# Altium PCB SDC.PcbDoc (part 3 of 3)
Units mm, origin at the board's own origin, x right, y up, seen from the top; angles counter-clockwise.
Board outline 100 x 160 mm, 4 copper layers (Top Layer, Signal Layer 1, Signal Layer 2, Bottom Layer), stack 0.778 mm thick; 295 components, 268 nets, 1347 pads, 611 vias.
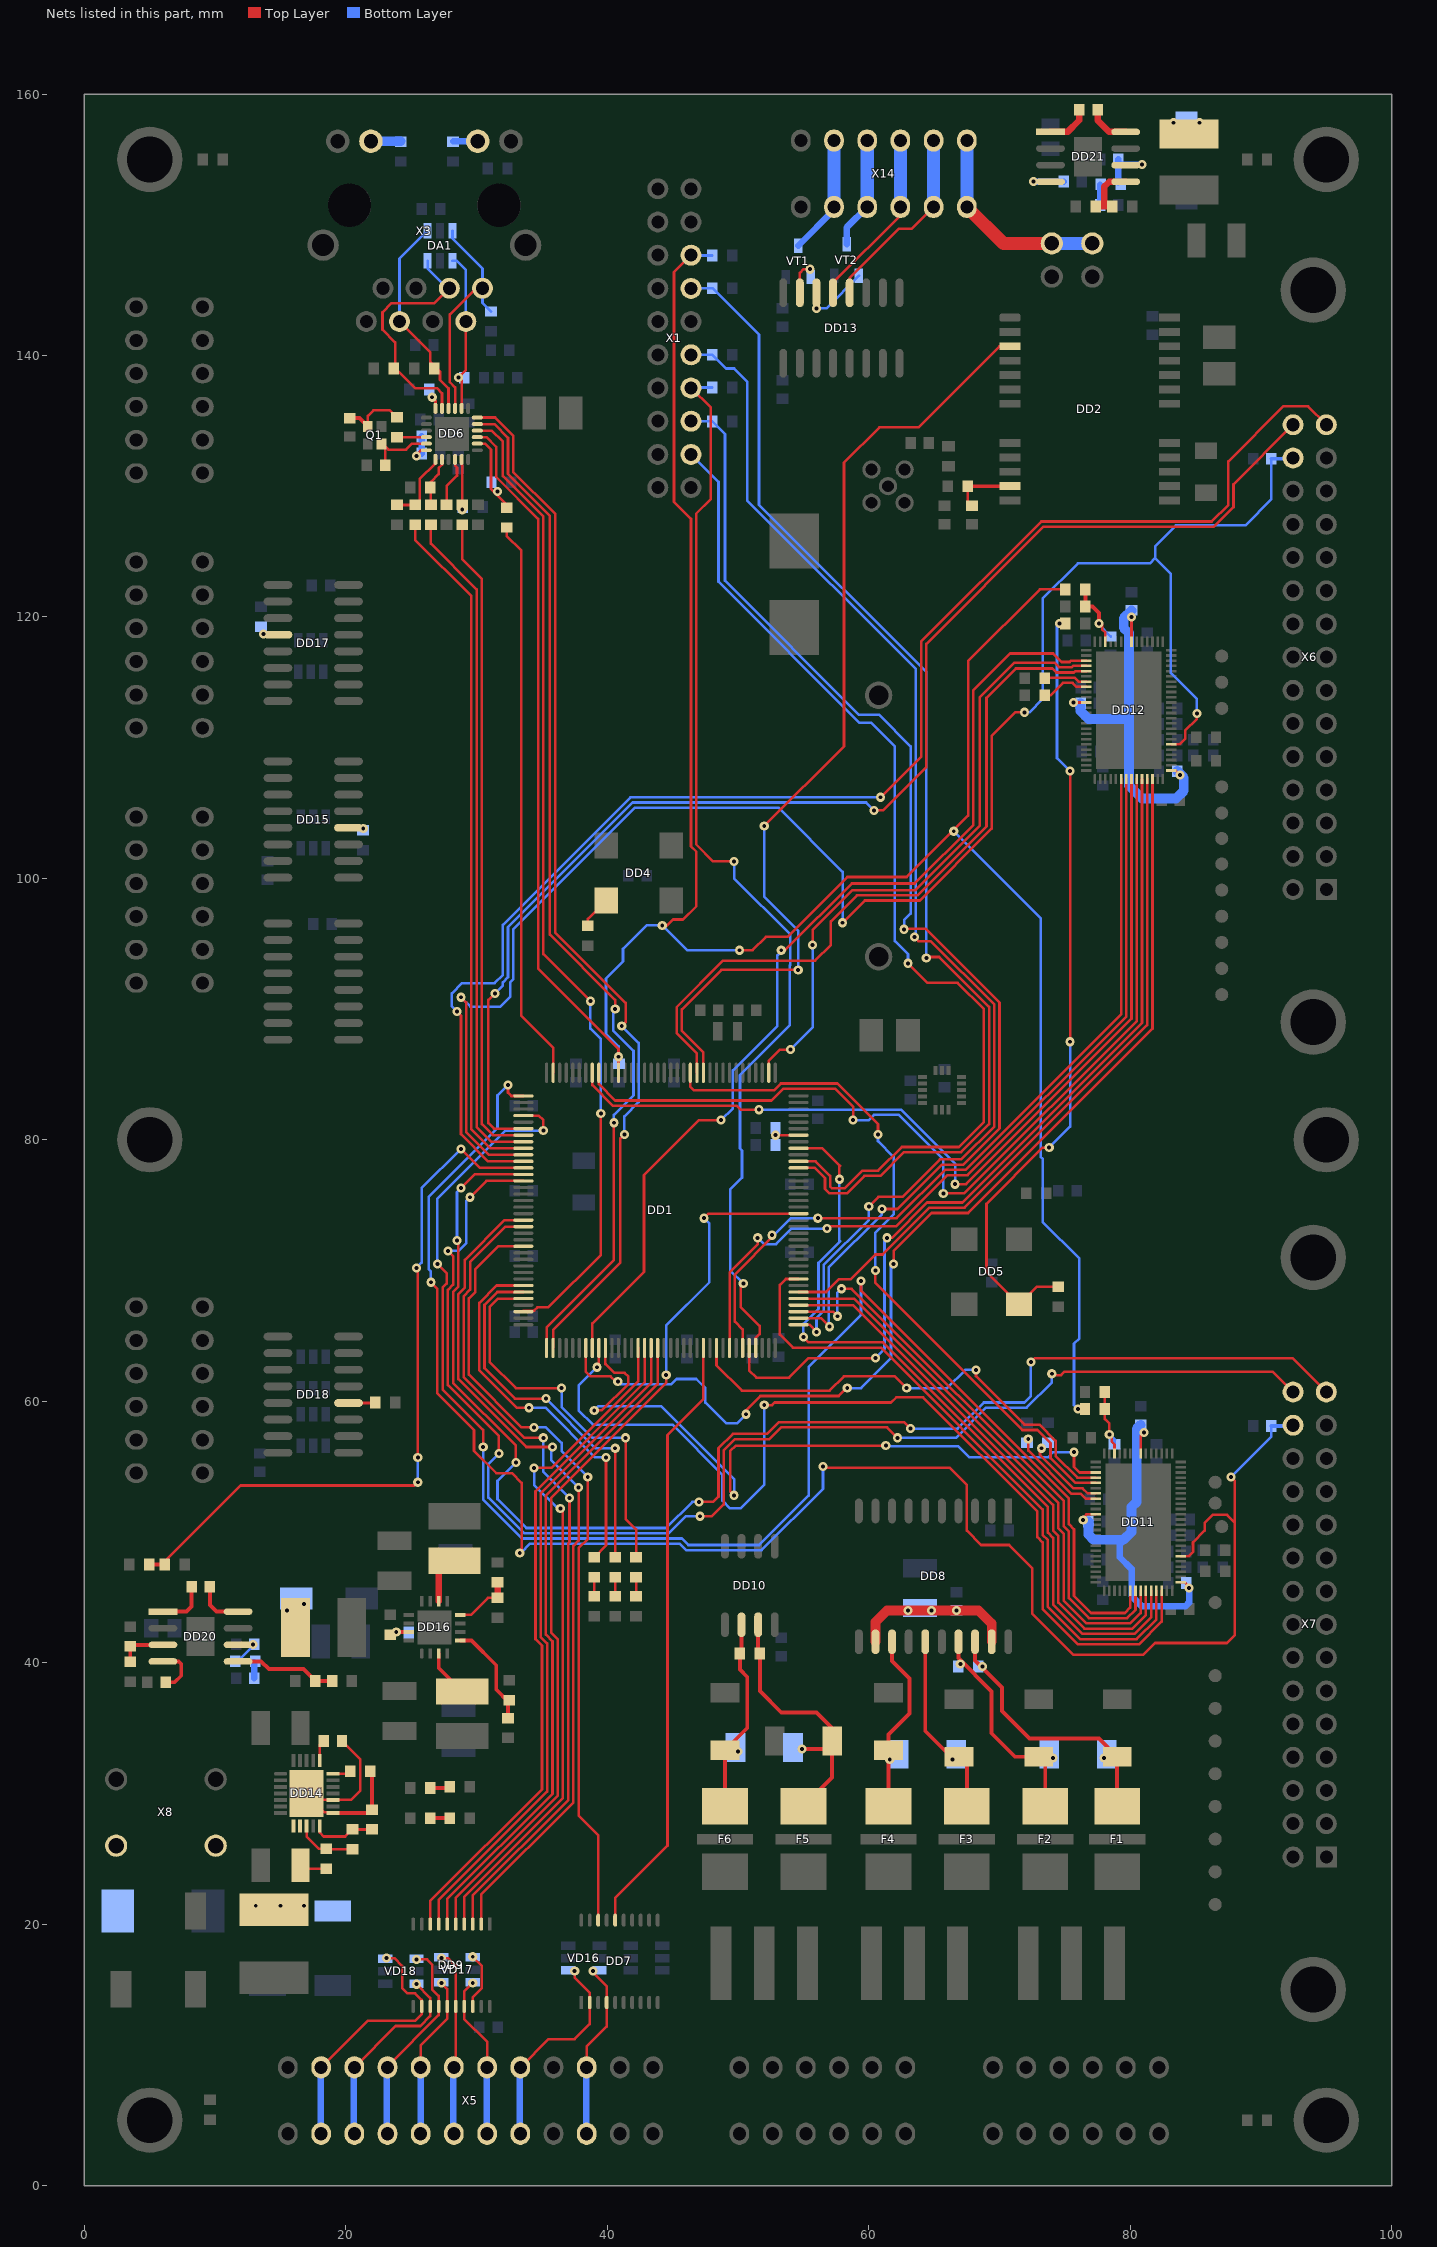
[diagram p5: the nets of this part, all layers, seen from the top]

## Via types
v1: diameter 0.7, hole 0.3, Top Layer to Bottom Layer, tented both sides, 606 vias
v2: diameter 0.5, hole 0.2, Top Layer to Bottom Layer, 5 vias

## Nets (pads, with @x,y where several pads share a name; then routed paths per layer and width w, separated by ;. In a path a pad name is that pad's centre, name@x,y a point inside that pad or via, vN(x,y) a via of type N, cw(c..) or ccw(c..) an arc to the next point about the centre after c; other vN are vias at no path point) (continued)
NetC29_2: C29.2 C30.2 DD6.6 | length 2.3
  Top Layer w0.2: v1@25.5,132.3 25.5,132.5 25.75,132.75 DD6.6@26.15,132.75
  Bottom Layer w0.5: C30.2@25.8,132.5 C29.2@25.8,133.8
  other v1: 25.4,132.3
NetC34_2: C34.2 Q1.1 R28.1 | length 5.1
  Top Layer w0.2: Q1.1@21.675,134.575 21.675,135.375 22.1,135.8 23.362,135.8 R28.1@23.9,135.262
  Top Layer w0.3: C34.2@20.3,135.2 21.05,135.2 Q1.1@21.675,134.575
NetC35_2: C35.2 DD6.5 Q1.3 | length 5
  Top Layer w0.2: Q1.3@22.825,133.225 23.25,132.8 24.6,132.8 25.05,133.25 DD6.5@26.15,133.25 ; C35.2@23,131.6 Q1.3@23,132.95
NetC39_2: C39.2 DD11.50 R41.1 R43.1 | length 5.6
  Top Layer w0.2: R41.1@78.062,60.7 R43.1@78.062,59.4 78.062,58.638 78.4,58.3 v1(78.4,57.45) ; v1@78.6,57.2 78.6,56.89 78.8,56.69 DD11.50@78.8,56
  Bottom Layer w0.2: C39.2@78.8,56.7 C39.2@78.8,57.05
  Bottom Layer w0.3: v1(78.4,57.45) C39.2@78.8,57.05
NetC40_2: C40.2 DD12.50 R42.1 R44.1 | length 6.3
  Top Layer w0.2: v1@77.65,119.55 77.85,119.35 77.85,119.04 78.1,118.79 DD12.50@78.1,118.1
  Top Layer w0.3: R44.1@76.562,122.1 R42.1@76.562,120.8 77.1,120.8 77.6,120.3 v1(77.6,119.5)
  Bottom Layer w0.2: v1@77.6,119.4 C40.2@78.5,118.5
NetC57_2: C57.2 C58.2 C59.2 DD11.15 DD11.45 DD11.63 | length 27.6
  Top Layer w0.2: v1@76.4,51.1 76.65,51.35 DD11.63@77.35,51.35 ; DD11.45@80.8,56 80.8,57.35 v1(81.05,57.6) ; DD11.15@83.85,46.15 84.15,46.15 84.5,45.8 v1(84.5,45.7)
  Bottom Layer w0.5: 79.5,49.4 79.5,49.331 79.2,49.031 79.2,48.069 80.1,47.169 80.1,45.1 80.9,44.3 84.2,44.3 84.5,44.6 v1(84.5,45.7)
  Bottom Layer w0.75: C58.2@76.8,50.8 76.8,49.8 77.2,49.4 79.5,49.4 80.1,50 80.1,51.9 80.5,52.3 80.5,57.9 C59.2@80.8,58.2
  other v1: 76.4,50.9
NetC60_2: C60.2 C61.2 C62.2 DD12.15 DD12.45 DD12.63 | length 28.8
  Top Layer w0.2: v1(75.65,113.45) DD12.63@76.65,113.45 ; v1@80,120.1 v1(80.1,120) DD12.45@80.1,118.1 ; DD12.15@83.15,108.25 83.45,108.25 v1(83.8,107.9)
  Bottom Layer w0.75: C61.2@76.2,113.4 76.2,112.8 76.8,112.2 79.9,112.2 ; C62.2@80.1,120.5 79.5,119.9 79.5,119.163 79.9,118.763 79.9,112.2 ; C60.2@83.6,108.2 84.1,107.7 84.1,106.7 83.5,106.1 80.9,106.1 79.9,107.1 79.9,112.2
NetC68_2: C68.2 DD2.11 R76.2 | length 4.4
  Top Layer w0.2: C68.2@67.562,128.838 R76.2@67.562,130
  Top Layer w0.254: R76.2@67.562,130 DD2.11@70.8,130
NetC74_2: C74.2 C92.1 C93.1 DD14.8 DD14.9 L6.2 R53.2 | length 1.7
  Top Layer w0.2: C74.2@16.786,24.238 R53.2@18.5,24.238
  other v1: 13.1,21.4 15,21.4 16.8,21.4
NetC76_1: C76.1 DD14.13 DD14.15 DD14.25 R56.1 R57.1 | length 16.4
  Top Layer w0.2: DD14.25@17,29.926 18.376,28.55 18.95,28.55 DD14.13@19,28.5 ; DD14.25@17.5,29.5 DD14.15@19,29.5 20.4,29.5 21.1,30.2 21.1,32.6 C76.1@19.7,34
  Top Layer w0.3: DD14.13@19,28.5 R56.1@21.738,28.5 ; R56.1@22,28.762 R57.1@22,31.562
NetC76_2: C76.2 DD14.20 | length 1.2
  Top Layer w0.2: DD14.20@18,32.5 C76.2@18,33.7
NetC83_2: C83.2 DD16.15 R58.1 | length 1.9
  Top Layer w0.3: v1(23.85,42.35) DD16.15@24.8,42.35
  Bottom Layer w0.3: v1(23.85,42.35) C83.2@24.75,42.35
NetC86_1: C86.1 DD20.8 L9.1 VD15.2 | length 3.5
  Top Layer w0.3: C86.1@9.6,45.5 9.6,44.4 10.1,43.9 DD20.8@11.75,43.9
  other v1: 15.5,44 16.8,44.5
NetC86_2: C86.2 DD20.1 | length 3.6
  Top Layer w0.3: DD20.1@6,43.9 7.8,43.9 8.2,44.3 C86.2@8.2,45.5
NetC89_2: C89.2 R68.2 | length 1.2
  Bottom Layer w0.5: C89.2@13,38.8 R68.2@13,40.038
NetC90_2: C90.2 DD20.6 R68.1 | length 1.8
  Bottom Layer w0.2: R68.1@11.7,40.1 C90.2@13,41.4
  other v1: 12.9,41.4
NetC91_2: C91.2 DD20.4 | length 3.8
  Top Layer w0.3: DD20.4@6,40.09 7.21,40.09 7.4,39.9 7.4,39 6.9,38.5 C91.2@6.2,38.5
NetC94_2: C94.2 C95.2 DD8.12 DD8.19 | length 12.6
  Top Layer w0.75: DD8.12@60.51,41.6 60.51,43.11 61.4,44 68.4,44 69.4,43 DD8.19@69.4,41.6
  other v1: 63,44 64.8,44 66.7,44
NetC100_1: C100.1 DD21.8 L10.1 VD20.2 | length 3.3
  Top Layer w0.5: C100.1@77.5,158.8 77.5,158 78.4,157.1 DD21.8@79.65,157.1
  other v1: 83.3,157.8 85.3,157.8
NetC100_2: C100.2 DD21.1 | length 3.4
  Top Layer w0.5: DD21.1@73.9,157.1 75.2,157.1 76.1,158 C100.2@76.1,158.8
NetC103_2: C103.2 R77.2 | length 1.6
  Bottom Layer w0.5: C103.2@77.7,151.5 R77.2@77.7,153.062
NetC104_2: C104.2 DD21.6 R77.1 | length 3.4
  Bottom Layer w0.5: R77.1@79.1,153.262 C104.2@79.1,155 ; C104.2@79.2,154.6 v1(80.9,154.6)
NetC105_2: C105.2 DD21.4 | length 2.3
  Bottom Layer w0.5: v1(72.6,153.3) C105.2@74.9,153.3
NetDA1_1: DA1.1 DD6.20 R17.1 X3.2 | length 12.2
  Top Layer w0.2: DD6.20@28.85,135.95 28.85,138.05 v1(28.6,138.3) 29.175,138.875 X3.2@29.175,142.6
  Bottom Layer w0.2: DA1.1@28.15,147.25 28.45,147.25 29.175,146.525 X3.2@29.175,142.6
NetDA1_3: DA1.3 DD6.23 R19.1 X3.3 | length 19
  Top Layer w0.2: DD6.23@27.35,135.95 27.35,137.1 26.95,137.5 25.3,137.5 23.769,139.031 23.769,141 22.8,141.969 22.8,143.3 23.5,144 26.77,144 X3.3@27.91,145.14
  Bottom Layer w0.2: DA1.3@26.25,147.25 26.25,146.65 27.76,145.14 X3.3@27.91,145.14
NetDA1_4: DA1.4 DD6.22 R20.1 X3.6 | length 16
  Top Layer w0.2: X3.6@24.1,142.6 26.462,140.238 26.462,139.5 27.2,138.762 27.2,138.134 27.85,137.484 DD6.22@27.85,135.95
  Bottom Layer w0.2: X3.6@24.1,142.6 24.1,147.4 DA1.4@26.25,149.55
NetDA1_6: DA1.6 DD6.21 R18.1 X3.1 | length 18.1
  Top Layer w0.2: DD6.21@28.35,135.95 28.35,137.55 27.95,137.95 27.95,143.15 29.94,145.14 X3.1@30.45,145.14
  Bottom Layer w0.2: DA1.6@28.15,149.55 28.15,148.95 30.45,146.65 X3.1@30.45,145.14 30.45,144.012 R18.1@31.1,143.362
NetDD1_48: DD1.48 R9.1 R10.2 | length 55.3
  Top Layer w0.2: R10.2@5.9,47.5 11.95,53.55 25.25,53.55 v1(25.5,53.8) ; v1(25.5,55.7) v1@25.5,70.1 ; v1(28.8,79.3) 30.25,77.85 DD1.48@33.575,77.85
  Top Layer w0.3: R9.1@4.962,47.5 R10.2@5.9,47.5
  Bottom Layer w0.2: v1(25.4,70.2) 25.8,70.6 25.8,76.3 v1(28.8,79.3) ; v1(25.5,53.8) v1(25.5,55.7)
NetDD1_66: DD1.66 HL1.1 | length 29.7
  Top Layer w0.2: DD1.66@33.575,68.85 31.519,68.85 30.2,67.531 30.2,62.363 33.063,59.5 v1(34,59.5) ; HL1.1@39,48.062 39.9,48.962 v1(39.9,55.7) v1@39.9,55.8
  Bottom Layer w0.2: v1(34,59.5) 35.266,59.5 39.066,55.7 v1(39.9,55.7)
NetDD1_67: DD1.67 HL2.1 | length 29.1
  Top Layer w0.2: DD1.67@33.575,68.35 31.584,68.35 30.6,67.366 30.6,62.528 32.928,60.2 v1(35.3,60.2) ; HL2.1@40.6,48.062 v1(40.6,56.4)
  Bottom Layer w0.2: v1(35.3,60.2) 39.1,56.4 v1(40.6,56.4)
NetDD1_68: DD1.68 HL3.1 | length 30.2
  Top Layer w0.2: DD1.68@33.575,67.85 31.65,67.85 31,67.2 31,63 33,61 v1(36.5,61) ; v1(41.4,57.2) 41.4,51 42.2,50.2 HL3.1@42.2,48.062
  Bottom Layer w0.2: v1(36.5,61) 36.5,59.566 38.866,57.2 v1(41.4,57.2)
NetDD1_138: DD1.138 R11.1 R12.2 | length 1.8
  Top Layer w0.2: v1(52.85,80.35) DD1.138@54.625,80.35
NetDD4_3: DD4.3 R13.2 | length 2.5
  Top Layer w0.2: R13.2@38.5,96.362 38.5,96.9 DD4.3@39.9,98.3
NetDD5_3: DD5.3 R14.2 R15.2 | length 60.1
  Top Layer w0.2: v1(73.8,79.4) 73.3,79.4 69,75.1 69,69.9 DD5.3@71.5,67.4 72.862,68.762 R14.2@74.5,68.762 ; v1(75.4,87.5) v1(75.4,108.2)
  Bottom Layer w0.2: v1(73.8,79.4) 75.4,81 v1(75.4,87.5) ; v1(74.6,119.5) 74.4,119.3 74.4,109.2 v1(75.4,108.2)
NetDD6_4: DD6.4 R28.2 | length 2.2
  Top Layer w0.2: R28.2@23.912,133.75 DD6.4@26.15,133.75
NetDD6_7: DD6.7 R22.2 R26.1 | length 5.5
  Top Layer w0.2: R22.2@23.9,128.562 R26.1@25.3,128.562 25.638,128.9 25.638,130.538 26.85,131.75 DD6.7@26.85,132.05
NetDD6_8: DD6.8 R21.2 R25.1 | length 3.8
  Top Layer w0.2: R25.1@26.5,128.562 26.5,130.334 27.1,130.934 27.1,131.389 27.35,131.639 DD6.8@27.35,132.05
NetDD6_10: DD6.10 R30.2 | length 3.9
  Top Layer w0.2: R30.2@27.7,128.562 27.7,130 28.5,130.8 28.5,131.419 28.35,131.569 DD6.10@28.35,132.05
NetDD6_11: DD6.11 R23.2 R27.1 | length 3.5
  Top Layer w0.2: DD6.11@28.85,132.05 28.85,131.65 28.9,131.6 R27.1@28.9,128.562
  other v1: 28.9,128.2
NetDD6_14: DD6.14 R16.2 R34.1 | length 5.9
  Top Layer w0.2: DD6.14@30.05,133.25 30.65,133.25 31.1,132.8 31.1,129.8 R34.1@32.3,128.6
  other v1: 31.6,129.6
NetDD6_24: DD6.24 R29.2 | length 1
  Top Layer w0.2: v1(26.6,136.8) 26.85,136.55 DD6.24@26.85,135.95
NetDD8_13: DD8.13 F4.1 VD5.1 VD6.1 | length 13.8
  Top Layer w0.3: F4.1@61.5,29 VD6.1@61.5,33.3 61.5,34.5 63.1,36.1 63.1,38.8 61.78,40.12 DD8.13@61.78,41.6
  other v1: 61.6,32.6
NetDD8_15: DD8.15 F3.1 VD4.2 VD5.2 | length 13.4
  Top Layer w0.3: DD8.15@64.32,41.6 64.32,34.78 66.3,32.8 VD4.2@66.9,32.8 ; F3.1@67.5,29 VD4.2@67.5,32.2
  other v1: 66.4,32.6
NetDD8_17: DD8.17 F2.1 R35.2 VD2.1 VD3.1 | length 15.7
  Top Layer w0.3: DD8.17@66.86,41.6 66.86,40.34 69.4,37.8 69.4,34.6 71.2,32.8 VD3.1@73,32.8 ; F2.1@73.5,29 VD3.1@73.5,32.3
  other v1: 74.1,32.7 67,39.9
NetDD8_18: DD8.18 F1.1 R35.1 VD1.2 VD2.2 | length 20.2
  Top Layer w0.3: DD8.18@68.13,41.6 68.13,40.17 70.2,38.1 70.2,36.3 72.3,34.2 77.6,34.2 VD1.2@79,32.8 F1.1@79,29
  other v1: 78,32.7 68.7,39.7
NetDD10_6: DD10.6 F6.1 R36.2 VD8.1 VD9.1 | length 14.7
  Top Layer w0.3: F6.1@49,29 VD9.1@49,33.3 50.7,35 50.7,38.9 50.138,39.462 R36.2@50.138,40.7 ; R36.2@50.265,40.827 DD10.6@50.265,42.9
  other v1: 50,33.2
NetDD10_7: DD10.7 F5.1 R36.1 VD7.2 VD8.2 | length 20.3
  Top Layer w0.3: R36.1@51.535,40.827 DD10.7@51.535,42.9 ; R36.1@51.662,40.7 51.662,37.838 53.3,36.2 56,36.2 57.2,35 VD7.2@57.2,34 57.2,31.2 F5.1@55,29 ; v1(54.9,33.4) VD7.2@56.6,33.4
NetDD11_59: DD11.59 R37.1 | length 5.8
  Top Layer w0.2: v1@73.1,56.2 73.1,55.884 75.649,53.334 76.366,53.334 76.75,52.95 DD11.59@77.35,52.95
  other v1: 73.2,56.4
NetDD11_60: DD11.60 R39.1 | length 7.6
  Top Layer w0.2: v1(72.2,57.1) 72.2,56.218 75.484,52.934 76.2,52.934 76.584,52.55 DD11.60@77.35,52.55
NetDD12_59: DD12.59 R38.1 | length 3.3
  Top Layer w0.2: R38.1@73.512,115.35 75.75,115.35 76.05,115.05 DD12.59@76.65,115.05
NetDD12_60: DD12.60 R40.1 | length 3.7
  Top Layer w0.2: R40.1@73.462,114 73.9,114 74.85,114.95 75.584,114.95 75.884,114.65 DD12.60@76.65,114.65
NetDD13_14: DD13.14 VT2.1 | length 5.2
  Top Layer w0.2: DD13.14@55.995,144.8 DD13.14@55.995,145.695
  Bottom Layer w0.2: v1(56,143.6) 56.75,143.6 VT2.1@59.25,146.1
NetDD13_15: DD13.15 VT1.1 | length 2.4
  Top Layer w0.2: DD13.15@54.725,144.8 54.725,146.325 55,146.6 v1(55.5,146.6)
NetDD14_10: DD14.10 R53.1 R54.2 | length 4.7
  Top Layer w0.2: DD14.10@17,27.5 17,26.7 17.938,25.762 R53.1@18.5,25.762 ; R53.1@18.524,25.738 R54.2@20.5,25.738
NetDD14_12: DD14.12 R54.1 R56.2 | length 4.8
  Top Layer w0.2: DD14.12@18,27.5 18,27 18.3,26.7 19.938,26.7 R54.1@20.5,27.262 ; R54.1@20.524,27.238 R56.2@22,27.238
NetDD14_19: DD14.19 R57.2 | length 1.1
  Top Layer w0.2: DD14.19@19,31.5 R57.2@20.138,31.5
NetDD15_4: DD15.4 R55.1
  other v1: 21.325,103.825
NetDD16_3: DD16.3 L7.1 | length 3.6
  Top Layer w0.3: DD16.3@27.1,40.7 27.1,39.6 L7.1@28.9,37.8
NetDD16_5: DD16.5 R59.1 R60.2 | length 7.9
  Top Layer w0.3: DD16.5@28.75,41.7 29.6,41.7 31.5,39.8 31.5,37.938 32.4,37.038 R59.1@32.4,35.762
NetDD16_8: DD16.8 R62.1 R63.2 | length 4.6
  Top Layer w0.2: DD16.8@28.75,43.65 29.55,43.65 30.862,44.962 R63.2@31.6,44.962
  Top Layer w0.5: R63.2@31.6,44.962 R62.1@31.6,46.138
NetDD16_10: DD16.10 L8.1 | length 3.9
  Top Layer w0.5: DD16.10@27.1,44.7 27.1,47.2 27.7,47.8 L8.1@28.3,47.8
NetDD17_4: DD17.4 R61.1
  other v1: 13.7,118.7
NetDD18_4: DD18.4 R64.1 | length 2
  Top Layer w0.2: DD18.4@20.2,59.865 R64.1@22.203,59.865
NetDD20_3: DD20.3 R67.1 R70.2 | length 3.6
  Top Layer w0.3: R70.2@3.5,40.062 R67.1@3.5,41.238 ; R67.1@3.622,41.36 DD20.3@6,41.36
NetDD20_5: DD20.5 R69.1 R71.2 | length 7.8
  Top Layer w0.3: DD20.5@11.75,40.09 13.51,40.09 14.1,39.5 16.762,39.5 R71.2@17.662,38.6 R69.1@18.938,38.6
NetDD21_5: DD21.5 R78.1 R79.2 | length 4.5
  Top Layer w0.5: R79.2@77.362,151.4 R78.1@78.638,151.4 ; 78,151.5 78,152.9 78.39,153.29 DD21.5@79.65,153.29
NetHL1_2: HL1.2 R5.2 | length 1.5
  Top Layer w0.2: R5.2@39,45.062 HL1.2@39,46.538
NetHL2_2: HL2.2 R6.2 | length 1.5
  Top Layer w0.2: R6.2@40.6,45.062 HL2.2@40.6,46.538
NetHL3_2: HL3.2 R7.2 | length 1.5
  Top Layer w0.2: R7.2@42.2,45.062 HL3.2@42.2,46.538
NetHL4_2: HL4.2 R65.2 | length 1.4
  Top Layer w0.3: HL4.2@26.462,30.4 R65.2@27.838,30.4
NetHL5_2: HL5.2 R66.2 | length 1.5
  Top Layer w0.3: HL5.2@26.462,28.1 R66.2@27.938,28.1
NetJ1_1: J1.1 J2.1 X14.6 | length 15.8
  Top Layer w1: X14.6@67.5,151.36 70.29,148.57 J2.1@74,148.57
  Bottom Layer w1: X14.6@67.5,151.36 X14.6@67.5,156.44 ; J2.1@74,148.57 J1.1@77.1,148.57
NetR32_2: R32.2 X3.11 | length 2.3
  Bottom Layer w0.75: X3.11@21.915,156.39 R32.2@24.172,156.39
NetR33_2: R33.2 X3.10 | length 1.9
  Bottom Layer w0.5: R33.2@28.228,156.39 X3.10@30.085,156.39
NetVD10_1: VD10.1 X8.1
OUT_1: VT1.3 X14.2 | length 9
  Bottom Layer w0.5: VT1.3@54.6,148.4 X14.2@57.34,151.14
  Bottom Layer w1: X14.2@57.34,151.36 X14.2@57.34,156.44
OUT_2: VT2.3 X14.3 | length 8.6
  Bottom Layer w0.5: VT2.3@58.3,148.5 58.3,149.78 X14.3@59.88,151.36
  Bottom Layer w1: X14.3@59.88,151.36 X14.3@59.88,156.44
OUT_3: DD13.13 X14.4 | length 13.1
  Top Layer w0.2: DD13.13@57.265,144.8 57.265,145.565 X14.4@62.42,150.72
  Bottom Layer w1: X14.4@62.42,151.36 X14.4@62.42,156.44
OUT_4: DD13.12 X14.5 | length 14.9
  Top Layer w0.2: DD13.12@58.535,144.8 58.535,145.935 62.3,149.7 63.3,149.7 X14.5@64.96,151.36
  Bottom Layer w1: X14.5@64.96,151.36 X14.5@64.96,156.44
OUT_FLG_0: DD1.56 DD9.2 | length 64.7
  Top Layer w0.2: DD9.2@30.35,20 30.35,22.256 37.4,29.306 37.4,48.931 37.8,49.331 v1(37.8,53.4) ; DD1.56@33.575,73.85 32.15,73.85 29.1,70.8 29.1,68.694 28.6,68.194 28.6,61.7 33.8,56.5 v1(35.8,56.5)
  Bottom Layer w0.2: v1@35.7,56.3 35.7,55.5 v1(37.8,53.4)
OUT_FLG_0_CN: DD9.18 VD17.1 | length 4.4
  Top Layer w0.2: DD9.18@29.7,13.7 29.7,14.4 30.4,15.1 30.4,16.8 v1(29.7,17.5)
OUT_FLG_1: DD1.57 DD9.3 | length 63.3
  Top Layer w0.2: DD9.3@29.7,20 29.7,22.172 37,29.472 37,49.097 37.1,49.197 v1(37.1,52.6) ; DD1.57@33.575,73.35 32.216,73.35 29.5,70.634 29.5,68.528 29,68.028 29,61.866 33.666,57.2 v1(35.1,57.2)
  Bottom Layer w0.2: v1(35.1,57.2) 35.1,54.6 v1(37.1,52.6)
OUT_FLG_1_CN: DD9.17 VD17.3 X5.6 | length 12.5
  Top Layer w0.2: v1(29.7,15.5) 29.05,14.85 DD9.17@29.05,13.7 29.05,12.75 30.8,11 X5.6@30.8,9.04
  Bottom Layer w0.5: X5.6@30.76,3.98 X5.6@30.76,9.06
OUT_FLG_2: DD1.87 DD9.4 | length 52.2
  Top Layer w0.2: DD9.4@29.05,20 29.05,22.087 36.6,29.637 36.6,51.6 v1(36.4,51.8) ; v1(34.4,54.9) 35.734,54.9 42.35,61.516 DD1.87@42.35,64.075
  Bottom Layer w0.2: v1(34.4,54.9) 34.4,53.6 v1@36.3,51.7
OUT_FLG_2_CN: DD9.16 VD17.6 X5.7 | length 14
  Top Layer w0.2: v1(27.3,17.4) 27.8,17.4 28.4,16.8 DD9.16@28.4,13.7 X5.7@28.4,9.18
  Bottom Layer w0.5: X5.7@28.22,3.98 X5.7@28.22,9.06
OUT_FLG_3: DD1.126 DD9.5 | length 70
  Top Layer w0.2: DD9.5@28.4,20 28.4,22.003 36.2,29.803 36.2,41.8 35.7,42.3 35.7,52.603 44.5,61.403 v1(44.5,62) ; v1(47.4,74) 47.75,74.35 DD1.126@54.625,74.35
  Bottom Layer w0.2: v1(44.5,62) 44.5,65.8 47.8,69.1 47.8,73.6 v1(47.4,74)
OUT_FLG_3_CN: DD9.15 VD17.4 X5.8 | length 12.6
  Top Layer w0.2: X5.8@25.72,9.04 25.72,10.72 27.75,12.75 DD9.15@27.75,13.7 27.75,15.05 v1(27.3,15.5)
  Bottom Layer w0.5: X5.8@25.72,3.96 X5.8@25.72,9.04
OUT_FLG_4: DD1.90 DD9.6 | length 51.2
  Top Layer w0.2: DD9.6@27.75,20 27.75,21.919 35.8,29.969 35.8,41.634 35.3,42.134 35.3,52.769 43.85,61.319 DD1.90@43.85,64.075
OUT_FLG_4_CN: DD9.14 VD18.1 X5.9 | length 16.1
  Top Layer w0.2: X5.9@23.18,9.114 27.1,13.034 DD9.14@27.1,13.7 27.1,14.5 26.6,15 26.6,16.9 26.2,17.3 v1(25.4,17.3)
  Bottom Layer w0.5: X5.9@23.14,3.98 X5.9@23.14,9.06
OUT_FLG_5: DD1.89 DD9.7 | length 51.2
  Top Layer w0.2: DD9.7@27.1,20 27.1,21.834 35.4,30.134 35.4,41.469 34.9,41.969 34.9,52.934 43.35,61.384 DD1.89@43.35,64.075
OUT_FLG_5_CN: DD9.13 VD18.3 X5.10 | length 15.4
  Top Layer w0.2: X5.10@20.64,9.04 23.8,12.2 25.7,12.2 26.45,12.95 DD9.13@26.45,13.7 26.45,14.35 v1(25.4,15.4)
  Bottom Layer w0.5: X5.10@20.6,3.98 X5.10@20.6,9.06
OUT_FLG_6: DD1.88 DD9.8 | length 51.3
  Top Layer w0.2: DD9.8@26.45,20 26.45,21.75 35,30.3 35,41.3 34.5,41.8 34.5,53.1 42.85,61.45 DD1.88@42.85,64.075
OUT_FLG_6_CN: DD9.12 VD18.6 X5.11 | length 20.6
  Top Layer w0.2: X5.11@18.1,9.04 21.66,12.6 25.3,12.6 25.8,13.1 DD9.12@25.8,13.7 25.8,14.2 25.3,14.7 24.7,14.7 24.3,15.1 24.3,16.8 23.7,17.4 v1(23.1,17.4)
  Bottom Layer w0.5: X5.11@18.06,3.98 X5.11@18.06,9.06
RMII_CRS_DV: DD1.43 R27.2 | length 50
  Top Layer w0.2: R27.2@28.9,127.038 28.9,124.4 30.4,122.9 30.4,81.2 31.25,80.35 DD1.43@33.575,80.35
RMII_REFCLK: DD1.35 R34.2 | length 43.2
  Top Layer w0.2: R34.2@32.3,126.838 32.3,126.2 33.4,125.1 33.4,89.5 35.85,87.05 DD1.35@35.85,85.125
RMII_RXD0: DD1.44 R25.2 | length 51.6
  Top Layer w0.2: R25.2@26.5,127.038 26.5,125.6 30,122.1 30,80.966 31.116,79.85 DD1.44@33.575,79.85
RMII_RXD1: DD1.45 R26.2 | length 52.6
  Top Layer w0.2: R26.2@25.3,127.038 25.3,125.9 29.6,121.6 29.6,95.2 29.6,80.8 31.05,79.35 DD1.45@33.575,79.35
RMII_TXD0: DD1.73 DD6.17 | length 79.3
  Top Layer w0.2: DD6.17@30.05,134.75 31.35,134.75 32.4,133.7 32.4,130.931 35.6,127.731 35.6,95.698 40.6,90.698 v1(40.6,90) ; DD1.73@35.35,64.075 35.35,65.65 40.5,70.8 v1(40.5,81.3)
  Bottom Layer w0.2: v1(40.5,81.3) 40.5,81.9 42,83.4 42,86.8 40.45,88.35 40.45,89.85 v1(40.6,90)
RMII_TXD1: DD1.74 DD6.18 | length 80.1
  Top Layer w0.2: DD6.18@30.05,135.25 31.416,135.25 32.8,133.866 32.8,131.1 36,127.9 36,95.864 41.4,90.464 41.4,89 v1(41.1,88.7) ; DD1.74@35.85,64.075 35.85,65.45 41,70.6 41,80.1 v1(41.3,80.4)
  Bottom Layer w0.2: v1(41.1,88.7) 42.4,87.4 42.4,82.881 41.3,81.781 v1(41.3,80.4)
RMII_TXEN: DD1.70 DD6.16 | length 75.4
  Top Layer w0.2: DD6.16@30.05,134.25 31.15,134.25 32,133.4 32,130.766 35.1,127.666 35.1,94.2 v1(38.7,90.6) ; DD1.70@33.575,66.85 33.575,66.925 34.401,66.925 34.651,67.175 35.475,67.175 39.5,71.2 v1(39.5,82)
  Bottom Layer w0.2: v1(38.7,90.6) 38.7,88.5 39.5,87.7 v1(39.5,82)
RST: C1.2 DD1.25 DD6.15 R4.2 R43.2 R44.2 X1.15 | length 220.8
  Top Layer w0.2: DD6.15@30.05,133.75 30.75,133.75 31.5,133 31.5,130.7 34.7,127.5 34.7,93.1 40.85,86.95 v1(40.85,86.35) DD1.25@40.85,85.125 ; v1(44.2,96.4) 44.419,96.4 44.5,96.319 45.031,96.85 45.787,96.85 46.8,97.863 46.8,102.034 46.4,102.434 46.4,127.5 45.1,128.8 45.1,146.37 X1.15@46.4,147.67 ; v1(50.1,94.5) 51.1,94.5 52.12,95.52 53.783,95.52 58.363,100.1 62.9,100.1 67.6,104.8 67.6,116.609 73.091,122.1 R44.2@75.038,122.1
  Bottom Layer w0.2: v1(40.85,86.35) 40.85,87.15 39.9,88.1 39.9,92.334 41.2,93.634 41.2,94.6 43,96.4 v1(44.2,96.4) 46.1,94.5 v1(50.1,94.5) ; X1.15@46.42,147.65 R4.2@48.038,147.65 ; v1(66.5,103.6) 73.15,96.95 73.15,78.7 73.3,78.55 73.3,73.7 76.1,70.9 76.1,64.8 75.7,64.4 75.7,59.7 v1(76,59.4)
STATUS_A: DD1.79 DD12.12 | length 84.3
  Top Layer w0.2: DD1.79@38.35,64.075 38.35,62.25 38.7,61.9 40.25,61.9 40.65,61.5 v1(40.8,61.5) ; v1(50.6,59) 50.6,59.3 51.7,60.4 57.7,60.4 58.3,61 v1(58.35,61) ; v1(61.9,70.5) 61.9,71.5 64.8,74.4 67.6,74.4 81.7,88.5 DD12.12@81.7,107.6
  Bottom Layer w0.2: v1(40.8,61.5) 41,61.3 44.9,61.3 45.3,61.7 46.8,61.7 47.5,61 47.5,59.9 49.1,58.3 49.9,58.3 v1(50.6,59) ; v1(58.35,61) 59.4,61 61.7,63.3 61.7,70.3 v1(61.9,70.5)
STATUS_B: DD1.81 DD11.12 | length 76.3
  Top Layer w0.2: v1@39.35,62.75 DD1.81@39.35,64.075 ; v1(52,59.7) 52.6,59.7 52.8,59.9 61.7,59.9 62.1,60.3 64.158,60.3 72.9,51.558 72.9,49.606 73.3,49.206 73.3,44.106 76.006,41.4 80.663,41.4 82.4,43.137 DD11.12@82.4,45.5
  Bottom Layer w0.2: v1@39.3,62.7 v1(39.2,62.6) 37.8,61.2 37.8,59.3 38.9,58.2 44.969,58.2 48.8,54.369 48.8,52.4 49.4,51.8 50.2,51.8 52,53.6 v1(52,59.7)
STEP_OUT_1: DD1.60 DD7.18 | length 60.2
  Top Layer w0.2: DD1.60@33.575,71.85 31.65,71.85 29.9,70.1 29.9,68.363 29.4,67.863 29.4,62.031 33.431,58 v1(34.4,58) ; v1(38.5,54.2) 38.5,49.466 37.8,48.766 37.8,28.306 39.3,26.806 DD7.18@39.3,20.3
  Bottom Layer w0.2: v1(34.4,58) 35.3,58 36.5,56.8 36.5,56.2 v1(38.5,54.2)
STEP_OUT_1_CN: DD7.2 VD16.1 X5.5 | length 16.3
  Top Layer w0.2: X5.5@33.34,9.04 35.5,11.2 37.5,11.2 38.65,12.35 DD7.2@38.65,14 38.65,14.75 37.5,15.9 v1(37.5,16.4)
  Bottom Layer w0.5: X5.5@33.3,3.98 X5.5@33.3,9.06
STEP_OUT_2: DD1.97 DD7.16 | length 46.6
  Top Layer w0.2: DD7.16@40.6,20.3 40.6,22 44.6,26 44.6,57.4 47.35,60.15 DD1.97@47.35,64.075
STEP_OUT_2_CN: DD7.4 VD16.6 X5.3 | length 13.6
  Top Layer w0.2: X5.3@38.42,9.04 38.42,10.62 39.95,12.15 DD7.4@39.95,14 39.95,15.25 v1@38.8,16.4
  Bottom Layer w0.5: X5.3@38.38,3.98 X5.3@38.38,9.06
  other v1: 38.9,16.4
T_MARK: DD1.12 DD2.3 | length 74.5
  Top Layer w0.2: DD1.12@47.35,85.125 47.35,86.681 45.7,88.331 45.7,89.972 48.728,93 v1(54.6,93) ; v1(52,104) 58.1,110.1 58.1,131.8 60.8,134.5 63.8,134.5 70,140.7 DD2.3@70.8,140.7
  Bottom Layer w0.2: v1(52,104) 52,98.6 54.6,96 v1(54.6,93)
T_SENSE_A_1: DD1.47 X6.29 | length 112.1
  Top Layer w0.2: v1(28.5,89.8) 28.8,89.5 28.8,80.434 30.884,78.35 DD1.47@33.575,78.35 ; v1(60.9,106.2) 64,109.3 64,118.1 73.2,127.3 86.234,127.3 87.5,128.566 87.5,131.9 91.7,136.1 93.6,136.1 X6.29@95,134.7
  Bottom Layer w0.2: v1(28.5,89.8) 28.1,90.2 28.1,91.2 28.883,91.983 31.383,91.983 32,92.6 32,96.434 41.766,106.2 v1(60.9,106.2)
T_SENSE_A_2: DD1.42 X6.30 | length 101.5
  Top Layer w0.2: v1(31.4,91.2) 30.9,90.7 30.9,81.266 31.316,80.85 DD1.42@33.575,80.85 ; v1(60.4,105.2) 61.1,105.2 64.4,108.5 64.4,117.934 73.366,126.9 86.4,126.9 87.9,128.4 87.9,130.14 X6.30@92.46,134.7
  Bottom Layer w0.2: v1(31.4,91.2) 32,91.8 32,92.034 32.4,92.434 32.4,96.269 41.931,105.8 59.8,105.8 v1(60.4,105.2)
T_SENSE_B_1: DD1.49 X7.29 | length 106.8
  Top Layer w0.2: v1(28.5,72.3) 28.6,72.2 28.6,68.76 28.2,68.36 28.2,61.4 33,56.6 v1(33,55.3) ; v1(28.8,76.3) 29.85,77.35 DD1.49@33.575,77.35 ; v1(47,52.3) 48.1,52.3 48.5,52.7 48.5,56.403 49.597,57.5 52.231,57.5 53.131,58.4 62.7,58.4 v1(63.2,57.9) ; v1(72.4,63) 72.7,63.3 92.4,63.3 X7.29@95,60.7
  Bottom Layer w0.2: v1(28.5,72.3) 28.5,76 v1(28.8,76.3) ; v1(33,55.3) 31.6,53.9 31.6,52.5 33.8,50.3 44.5,50.3 46.5,52.3 v1(47,52.3) ; v1(63.2,57.9) 66.8,57.9 68.8,59.9 71.9,59.9 72.4,60.4 v1(72.4,63)
T_SENSE_B_2: DD1.50 X7.30 | length 103.1
  Top Layer w0.2: v1@27.8,71.6 v1(27.8,71.5) 28.2,71.1 28.2,68.925 27.8,68.525 27.8,61.234 31.7,57.334 v1(31.7,56) ; v1(29.5,75.6) 30.75,76.85 DD1.50@33.575,76.85 ; v1(47.1,51.2) 48,51.2 48.9,52.1 48.9,56.237 49.763,57.1 52.397,57.1 53.297,58 61.4,58 v1(62.2,57.2) ; v1@74,62 74.7,62 74.95,62.25 90.91,62.25 X7.30@92.46,60.7
  Bottom Layer w0.2: v1(27.8,71.5) 28.619,71.5 29.2,72.081 29.2,75.3 v1(29.5,75.6) ; v1(31.7,56) 30.9,55.2 30.9,52.634 33.634,49.9 44.7,49.9 46,51.2 v1(47.1,51.2) ; v1(62.2,57.2) 66.666,57.2 68.966,59.5 72.066,59.5 74,61.434 v1(74,62.1)
TCK: DD1.109 R8.1 X1.9 | length 95.6
  Top Layer w0.2: DD1.109@54.625,65.85 55.45,65.85 v1(56,65.3) ; v1(60,74.9) 60.733,75.633 62.567,75.633 65.434,78.5 67.071,78.5 69.6,81.029 69.6,90.334 64.734,95.2 63.8,95.2 v1(63.5,95.5)
  Bottom Layer w0.2: X1.9@46.4,140.05 R8.1@48.038,140.05 49.088,139 49.7,139 50.7,138 50.7,128.9 63.6,116 63.6,95.6 v1(63.5,95.5) ; v1(56,65.3) 56,66.35 56.55,66.9 56.55,70.416 60,73.866 v1(60,74.9)
TDI: DD1.110 R1.2 X1.5 | length 92
  Top Layer w0.2: DD1.110@54.625,66.35 56.35,66.35 v1(57,65.7) ; v1(61,74.7) 62.2,74.7 65.6,78.1 67.237,78.1 70,80.863 70,90.5 64.35,96.15 v1@62.75,96.15
  Bottom Layer w0.2: X1.5@46.4,134.97 R1.2@48.018,134.97 ; R1.2@48.038,134.95 49,133.988 49,122.766 59.266,112.5 60.8,112.5 63.2,110.1 63.2,97.3 62.7,96.8 v1(62.7,96.1) ; v1(57,65.7) 56.95,65.75 56.95,70.25 61,74.3 v1(61,74.7)
TDO: DD1.133 R3.2 X1.13 | length 93.5
  Top Layer w0.2: DD1.133@54.625,77.85 55.869,77.85 56.65,77.069 56.65,76.25 57,75.9 58.334,75.9 59.669,77.234 60.884,77.234 62.699,79.05 67.055,79.05 69.2,81.195 69.2,90.169 65.384,93.984 64.516,93.984 v1@64.5,94
  Bottom Layer w0.2: X1.13@46.4,145.13 X1.13@46.97,145.13 ; X1.13@46.42,145.15 R3.2@48.038,145.15 51.6,141.588 51.6,128.566 64.4,115.766 v1(64.4,93.9)
TMC_A_CS: DD1.103 DD12.6 | length 61.7
  Top Layer w0.2: DD1.103@50.35,64.075 50.35,65.5 49.75,66.1 49.75,69.684 v1@52.766,72.7 ; v1(56.1,74) 62.137,74 65.837,77.7 67.402,77.7 79.3,89.598 DD12.6@79.3,107.6
  Bottom Layer w0.2: v1@52.766,72.7 54.066,74 v1(56.1,74)
  other v1: 52.6,72.7
TMC_A_DIR: DD1.2 DD12.56 | length 48.1
  Top Layer w0.2: DD1.2@52.35,85.125 52.35,86.05 53.2,86.9 v1(54,86.9) ; v1(55.7,94.9) 55.7,96.034 58.766,99.1 63.569,99.1 68.5,104.031 68.5,113.866 71.134,116.5 74.2,116.5 74.55,116.15 75.534,116.15 75.634,116.25 DD12.56@76.65,116.25
  Bottom Layer w0.2: v1(54,86.9) 55.7,88.6 v1(55.7,94.9)
TMC_A_EN: DD1.80 DD12.55 | length 76.5
  Top Layer w0.2: DD1.80@38.85,64.075 38.85,65.95 42.8,69.9 42.8,77.3 47,81.5 v1(48.7,81.5) ; v1(53.3,94.5) 53.6,94.5 58.7,99.6 63.503,99.6 68,104.097 68,114.4 70.8,117.2 74.1,117.2 74.75,116.55 75.369,116.55 75.469,116.65 DD12.55@76.65,116.65
  Bottom Layer w0.2: v1(48.7,81.5) 49.6,82.4 49.6,85.3 53,88.7 53,94.1 v1@53.4,94.5
TMC_A_MISO: DD1.28 DD12.9 | length 72.7
  Top Layer w0.2: DD1.28@39.35,85.125 39.35,84.25 40.6,83 52.542,83 53.442,83.9 57.437,83.9 58.8,82.537 v1(58.8,81.5) ; v1(65.7,75.9) 67.299,75.9 80.5,89.101 DD12.9@80.5,107.6
  Bottom Layer w0.2: v1(58.8,81.5) 60,81.5 60.4,81.9 62.3,81.9 65.7,78.5 v1(65.7,75.9)
TMC_A_MOSI: DD1.29 DD12.8 | length 69.8
  Top Layer w0.2: DD1.29@38.85,85.125 38.85,84.184 40.434,82.6 49.9,82.6 50.2,82.3 v1(51.6,82.3) ; v1(66.6,76.6) 67.434,76.6 80.1,89.266 DD12.8@80.1,107.6
  Bottom Layer w0.2: v1(51.6,82.3) 62.466,82.3 66.6,78.166 v1(66.6,76.6)
TMC_A_RX: DD1.114 DD12.11 | length 54
  Top Layer w0.2: DD1.114@54.625,68.35 56.731,68.35 57.7,69.319 58.6,69.319 60.5,71.219 61.054,71.219 64.634,74.8 67.331,74.8 81.3,88.769 DD12.11@81.3,107.6
TMC_A_SCK: DD1.101 DD12.7 | length 63.1
  Top Layer w0.2: DD1.101@49.35,64.075 49.35,69.85 51.5,72 v1(51.5,72.5) ; v1(56.8,73.2) 56.983,73.383 62.086,73.383 66.003,77.3 67.568,77.3 79.7,89.432 DD12.7@79.7,107.6
  Bottom Layer w0.2: v1(51.5,72.5) 51.99,72.01 52.91,72.01 54.1,73.2 v1(56.8,73.2)
TMC_A_STEP: DD1.13 DD12.57 | length 54.7
  Top Layer w0.2: DD1.13@46.85,85.125 46.85,86.616 45.3,88.166 45.3,90.137 48.863,93.7 55.9,93.7 57.1,94.9 57.1,96.7 59.1,98.7 63.734,98.7 69,103.966 69,113.8 71.25,116.05 74.05,116.05 74.35,115.75 75.7,115.75 75.8,115.85 DD12.57@76.65,115.85
TMC_A_TX: DD1.104 DD12.10 | length 66.4
  Top Layer w0.2: DD1.104@50.85,64.075 50.85,62.35 51.4,61.8 53.9,61.8 55.4,63.3 v1(60.5,63.3) ; v1(61.4,72.5) 61.769,72.5 64.469,75.2 67.165,75.2 80.9,88.935 DD12.10@80.9,107.6
  Bottom Layer w0.2: v1(60.5,63.3) 61.2,64 61.2,72.2
TMC_B_CS: DD1.40 DD11.6 | length 120.6
  Top Layer w0.2: v1(27,70.5) 27.7,69.8 27.7,68.991 27.4,68.691 27.4,60.9 30.5,57.8 v1(30.5,56.5) ; DD1.40@33.575,81.85 34.75,81.85 35.1,81.5 v1(35.1,80.7) ; v1(59.4,69.2) 59.4,68.452 75.3,52.552 75.3,50.6 75.7,50.2 75.7,45.1 77,43.8 79.6,43.8 80,44.2 DD11.6@80,45.5
  Bottom Layer w0.2: v1(27,70.5) 27,75.5 32.2,80.7 v1(35.1,80.7) ; v1(30.5,56.5) 30.5,52.469 33.469,49.5 45.7,49.5 46.2,49 51.619,49 55.4,52.781 55.4,62.6 59.4,66.6 v1(59.4,69.2)
TMC_B_DIR: DD1.99 DD11.56 | length 36.9
  Top Layer w0.2: DD1.99@48.35,64.075 48.35,62.75 50.3,60.8 57,60.8 58.1,61.9 62,61.9 v1(62.9,61) ; v1(68.2,62.4) 68.2,61.915 71.915,58.2 73.066,58.2 74.3,56.966 74.3,55.815 75.965,54.15 DD11.56@77.35,54.15
  Bottom Layer w0.2: v1(62.9,61) 66,61 67.4,62.4 v1(68.2,62.4)
TMC_B_EN: DD1.82 DD11.55 | length 55.2
  Top Layer w0.2: v1(39,59.3) 39.569,59.3 41.6,61.331 41.6,61.9 41.325,62.175 40.541,62.175 39.866,62.85 39.85,62.85 DD1.82@39.85,64.075 ; v1(49.7,52.8) 49.4,53.1 49.4,56.172 49.828,56.6 v1(61.3,56.6) ; v1(75.7,56.1) 75.7,54.981 76.131,54.55 DD11.55@77.35,54.55
  Bottom Layer w0.2: v1(39,59.3) 39.3,59.6 44.134,59.6 49.7,54.034 v1(49.7,52.8) ; v1(61.3,56.6) 61.35,56.55 66.85,56.55 67.7,55.7 73.7,55.7 74.1,56.1 v1(75.7,56.1)
TMC_B_MISO: DD1.112 DD11.9 | length 43.3
  Top Layer w0.2: DD1.112@54.625,67.35 58.805,67.35 74.1,52.055 74.1,50.103 74.5,49.703 74.5,44.603 76.503,42.6 80.166,42.6 81.2,43.634 DD11.9@81.2,45.5
TMC_B_MOSI: DD1.113 DD11.8 | length 42.6
  Top Layer w0.2: DD1.113@54.625,67.85 58.871,67.85 74.5,52.221 74.5,50.269 74.9,49.869 74.9,44.769 76.669,43 80,43 80.8,43.8 DD11.8@80.8,45.5
TMC_B_RX: DD1.116 DD11.11 | length 50.8
  Top Layer w0.2: DD1.116@54.625,69.35 53.65,69.35 53.2,68.9 53.2,65.1 54.2,64.1 60.924,64.1 73.3,51.724 73.3,49.772 73.7,49.372 73.7,44.272 76.172,41.8 80.497,41.8 82,43.303 DD11.11@82,45.5
TMC_B_SCK: DD1.111 DD11.7 | length 44.1
  Top Layer w0.2: DD1.111@54.625,66.85 57.25,66.85 v1(57.6,66.5) ; v1(57.9,68.6) 58.687,68.6 74.9,52.387 74.9,50.434 75.3,50.034 75.3,44.934 76.834,43.4 79.766,43.4 80.4,44.034 DD11.7@80.4,45.5
  Bottom Layer w0.2: v1(57.6,66.5) 57.6,68.3 v1(57.9,68.6)
TMC_B_STEP: DD1.14 DD11.57 | length 54.1
  Top Layer w0.2: DD1.14@46.35,85.125 46.35,84.05 46.6,83.8 52.776,83.8 53.276,84.3 57.603,84.3 60.7,81.203 v1(60.7,80.4) ; v1(60.5,70) 60.5,69.049 71.749,57.8 72.9,57.8 73.9,56.8 73.9,55.649 75.799,53.75 DD11.57@77.35,53.75
  Bottom Layer w0.2: v1(60.5,70) 60.5,72.9 61.9,74.3 61.9,78.7 60.7,79.9 v1(60.7,80.4)
TMC_B_TX: DD1.136 DD11.10 | length 60.7
  Top Layer w0.2: DD1.136@54.625,79.35 56.45,79.35 57.8,78 57.75,77.95 v1(57.75,76.977) ; v1(55,64.9) 55.4,64.5 61.09,64.5 73.7,51.89 73.7,49.937 74.1,49.537 74.1,44.437 76.337,42.2 80.331,42.2 81.6,43.469 DD11.10@81.6,45.5
  Bottom Layer w0.2: v1(55,64.9) 55,65.916 56.15,67.066 56.15,70.581 57.8,72.231 57.75,72.281 v1(57.75,76.977)
TMS: DD1.105 R2.2 X1.7 | length 83.3
  Top Layer w0.2: X1.7@46.4,137.51 47.91,136 47.91,129.01 46.8,127.9 46.8,102.6 48.1,101.3 v1(49.7,101.3) ; v1(50.4,69) 50.2,68.8 50.2,67.2 51.65,65.75 51.65,65.131 51.35,64.831 DD1.105@51.35,64.075
  Bottom Layer w0.2: X1.7@46.44,137.55 R2.2@48.038,137.55 ; v1(49.7,101.3) 49.7,100 54,95.7 54,93.369 53.95,93.319 53.95,88.75 50.15,84.95 50.15,79.331 50.3,79.181 50.3,77.1 49.4,76.2 49.4,70 v1(50.4,69)
TRST: DD1.134 X1.3 | length 79.8
  Top Layer w0.2: DD1.134@54.625,78.35 55.935,78.35 57.05,77.235 57.05,76.416 57.166,76.3 58.169,76.3 59.503,77.634 60.718,77.634 62.534,79.45 66.89,79.45 68.8,81.36 68.8,90.003 66.801,92.001 64.499,92.001 v1(63,93.5)
  Bottom Layer w0.2: X1.3@46.4,132.43 48.5,130.33 48.5,122.7 59.3,111.9 60.2,111.9 62,110.1 62,95.2 63,94.2 v1(63,93.5)
VM_A_DIV: C70.2 DD1.46 DD12.20 X6.28 | length 137.1
  Top Layer w0.2: v1(28.8,90.9) 29.2,90.5 29.2,80.6 30.95,78.85 DD1.46@33.575,78.85 ; v1(58,96.6) 59.7,98.3 63.9,98.3 69.4,103.8 69.4,110.9 71.2,112.7 v1(71.9,112.7) ; DD12.20@83.15,110.25 83.784,110.25 84.2,110.666 84.2,111.3 85.1,112.2 v1(85.1,112.6)
  Bottom Layer w0.2: v1(28.8,90.9) 29.517,90.183 31.817,90.183 32.567,90.933 32.567,92.036 32.8,92.269 32.8,96.103 42.097,105.4 53.1,105.4 58,100.5 v1(58,96.6) ; v1(71.9,112.7) 72.3,112.7 73.3,113.7 73.3,121.4 76,124.1 81.5,124.1 81.9,124.5 ; v1(85.1,112.6) 85.1,113.7 83.1,115.7 83.1,123.3 81.9,124.5 ; C70.2@90.8,132.1 90.8,129 88.8,127 83.5,127 81.9,125.4 81.9,124.5
  Bottom Layer w0.3: C70.2@90.8,132.1 X6.28@92.4,132.1
VM_B_DIV: C71.2 DD1.37 DD11.20 X7.28 | length 138.8
  Top Layer w0.2: v1(26.5,69.1) 27,68.6 27,60.6 29.8,57.8 29.8,56.2 31.5,54.5 32.7,54.5 33.45,53.75 33.45,48.55 v1(33.3,48.4) ; v1(32.4,84.2) 32.4,83.6 32.65,83.35 DD1.37@33.575,83.35 ; v1@56.5,54.9 66.2,54.9 67.5,53.6 67.5,50.1 68.6,49 70.734,49 72.5,47.234 72.5,43.775 75.675,40.6 80.994,40.6 81.894,41.5 87.4,41.5 88,42.1 88,50.7 ; DD11.20@83.85,48.15 84.482,48.15 84.8,48.468 84.8,49.2 85.7,50.1 85.7,50.7 86.3,51.3 87.4,51.3 88,50.7 ; v1(87.7,54.2) 88,53.9 88,50.7
  Bottom Layer w0.2: v1(26.5,69.1) 26.5,69.931 26.35,70.081 26.35,75.65 31.6,80.9 31.6,83.4 v1(32.4,84.2) ; v1(33.3,48.4) 33.4,48.4 34.1,49.1 45.534,49.1 46.034,48.6 51.8,48.6 56.5,53.3 v1(56.5,55) ; v1(87.7,54.2) 90.8,57.3 C71.2@90.8,58.1
  Bottom Layer w0.3: C71.2@90.8,58.1 X7.28@92.4,58.1
pads on no net: DD1.7 DD1.24 DD1.26 DD1.34 DD1.58 DD1.59 DD1.85 DD1.86 DD1.96 DD1.100 DD1.102 DD1.115 DD1.117 DD1.123 DD1.125 DD1.132 DD1.135 DD1.141 DD2.1 DD2.2 DD2.5 DD2.6 DD2.7 DD2.8 DD2.14 DD2.15 DD2.16 DD2.18 DD2.19 DD2.22 DD3.2 DD3.3 DD4.1 DD5.1 DD9.9 DD11.1 DD11.4 DD11.5 DD11.21 DD11.22 DD11.25 DD11.26 DD11.27 DD11.28 DD11.29 DD11.30 DD11.33 DD11.36 DD11.37 DD11.38 DD11.58 DD11.64 DD11.65 DD11.66 DD11.67 DD11.68 DD11.69 DD11.70 DD11.71 DD11.74 DD11.75 DD11.76 DD12.1 DD12.4 DD12.5 DD12.21 DD12.22 DD12.25 DD12.26 DD12.27 DD12.28 DD12.29 DD12.30 DD12.33 DD12.36 DD12.37 DD12.38 DD12.58 DD12.64 DD12.65 DD12.66 DD12.67 DD12.68 DD12.69 DD12.70 DD12.71 DD12.74 DD12.75 DD12.76 DD13.6 DD13.7 DD13.10 DD13.11 DD14.1 DD14.2 DD14.3 DD14.4 DD14.5 DD14.6 DD14.7 DD14.11 DD14.14 DD14.16 DD14.18 DD14.21 DD14.22 DD15.10 DD15.11 DD15.13 DD15.14 DD16.6 DD16.7 DD17.9 DD17.10 DD17.11 DD17.13 DD17.14 DD17.15 DD19.7 DD19.9 DD19.12 DD19.15 F1.0 F2.0 F3.0 F4.0 F5.0 F6.0 VD18.4 X1.11 X1.17 X1.19 X3.7 X3.13 X3.14 X3.15 X3.16

## Polygon pours and split planes (outlines as drawn)
GND_2 on Signal Layer 1 "GND_2" (solid, pour order 2): 65,0.5 65,12 58,12 58,47 72.5,47 72.5,40 82,40 82,12 84.5,12 84.5,0.5
GND on Signal Layer 1 "1" (solid, pour order 10): 0.5,53 30,53 30,52.5 33,49.5 33,30 22,19 21,18 21,12.5 19,10.5 0.5,10.5 0.5,0.5 64.5,0.5 64.5,11.5 57.5,11.5 57.5,47.5 73,47.5 73,40.5 82.5,40.5 82.5,12.5 85,12.5 85,0.5 99.5,0.5 99.5,159.5 0.5,159.5
GND on Signal Layer 1 "1" (solid, pour order 12): 0.5,52.5 29.5,52.5 32.5,49.5 32.5,30 20.5,18 20.5,12.5 19,11 0.5,11
NetVD10_1 on Bottom Layer "1" (solid, pour order 4): 1,27.5 1,18.5 6,18.5 6,24 11.5,24 11.5,27.5
+5V on Top Layer "Top Layer-No Net" (solid, pour order 8): 19.7,46.5 26.6,46.5 26.6,37.3 19.7,37.3
+24V on Top Layer "1" (solid, pour order 6): 7.6,22.4 7.6,13.5 17,13.5 17,17.5 10.5,17.5 10.5,22.4
+24_FUSE on Top Layer "1" (solid, pour order 18): 1,44 1,33 17.4,33 17.5,33.1 17.5,37.5 6.9,37.5 6.9,44
+3V3_MC on Signal Layer 2 "1" (solid, pour order 14): 0.5,53 29.5,53 33,49.5 33,30 21,18 21,12.5 19,10.5 0.5,10.5 0.5,0.5 64.5,0.5 64.5,11.5 57.5,11.5 57.5,47.5 73,47.5 73,40.5 82.5,40.5 82.5,12.5 85,12.5 85,0.5 99.5,0.5 99.5,159.5 0.5,159.5
GND on Signal Layer 2 "1" (solid, pour order 16): 0.5,11 19,11 20.5,12.5 20.5,18 32.5,30 32.5,49.5 29.5,52.5 0.5,52.5
GND_2 on Signal Layer 2 "1" (solid, pour order 20): 65,0.5 65,12 64.9,12.1 58,12.1 58,47 72.5,47 72.5,40 82,40 82,12 84.5,12 84.5,0.5

## Keep-outs
Keep-Out Layer:
  the board outline again, w0.254

## Other copper
Top Layer:
  rectangle net NetC25_2: 29.3,135.8 34.1,137.7
  rectangle net +12V: 82.3,147.5 85.5,153.6
  rectangle net NetC100_1: 78.5,156.7 86.9,158.6
  rectangle net NetC86_1: 10.8,43.3 17.1,44.9
  rectangle net +24_FUSE: 1.8,42.1 7,43.3
  rectangle net NetC74_2: 15.8,21.9 16.6,28
  rectangle net GND: 2,13.5 6,22.5
  rectangle net +24_FUSE: 15.9,32.1 16.6,34.6
  rectangle net +24V: 51.6,112.5 57,121.2
  rectangle net +24V: 4.5,28 8.6,31.8
  rectangle net +24V_FUSE_2: 70.3,155.1 73.8,156.5
  text "IK_fecit" at 40.3,30.8 h1 r90
Bottom Layer:
  rectangle net GND: 83.4,151 90.2,153.8
  rectangle net +5V: 69.3,73.8 72.9,77.2
  rectangle net GND: 81,45.7 83.2,51.3
  rectangle net GND: 80.8,107.9 82.4,113.4
  rectangle net GND: 6.4,40.6 9.7,43.3
  rectangle net GND: 13,11.7 20.3,15.9
  rectangle net NetC74_2: 12.6,20 20.4,21.9
  rectangle net GND: 27.1,132.6 29.2,135.1

## Silkscreen, mask and mechanical layers (free items; w line width, h text height)
Top Overlay:
  text "StDrCntr_1.1" at 98.7,141.2 h1 r90

## Text inside footprints (layer, text, board x,y; h text height)
C3: Top Overlay "+" at 59.95,92 h1 r270
DA1: Mechanical 14 "2" at 27.35,146.975 h1; Mechanical 14 "3" at 26.42,146.97 h1; Mechanical 14 "1" at 28.25,146.975 h1; Mechanical 14 "6" at 28.3,149.325 h1; Mechanical 14 "5" at 27.35,149.325 h1; Mechanical 14 "4" at 26.42,149.31 h1
Q1: Mechanical 14 "1" at 21.55,134.625 h1 r270; Mechanical 14 "2" at 21.55,133.375 h1 r270; Mechanical 14 "3" at 22.525,133.375 h1 r270; Mechanical 14 "4" at 22.525,134.65 h1 r270